# Altium PCB MB2032.PcbDoc (part 1 of 2) (continued)
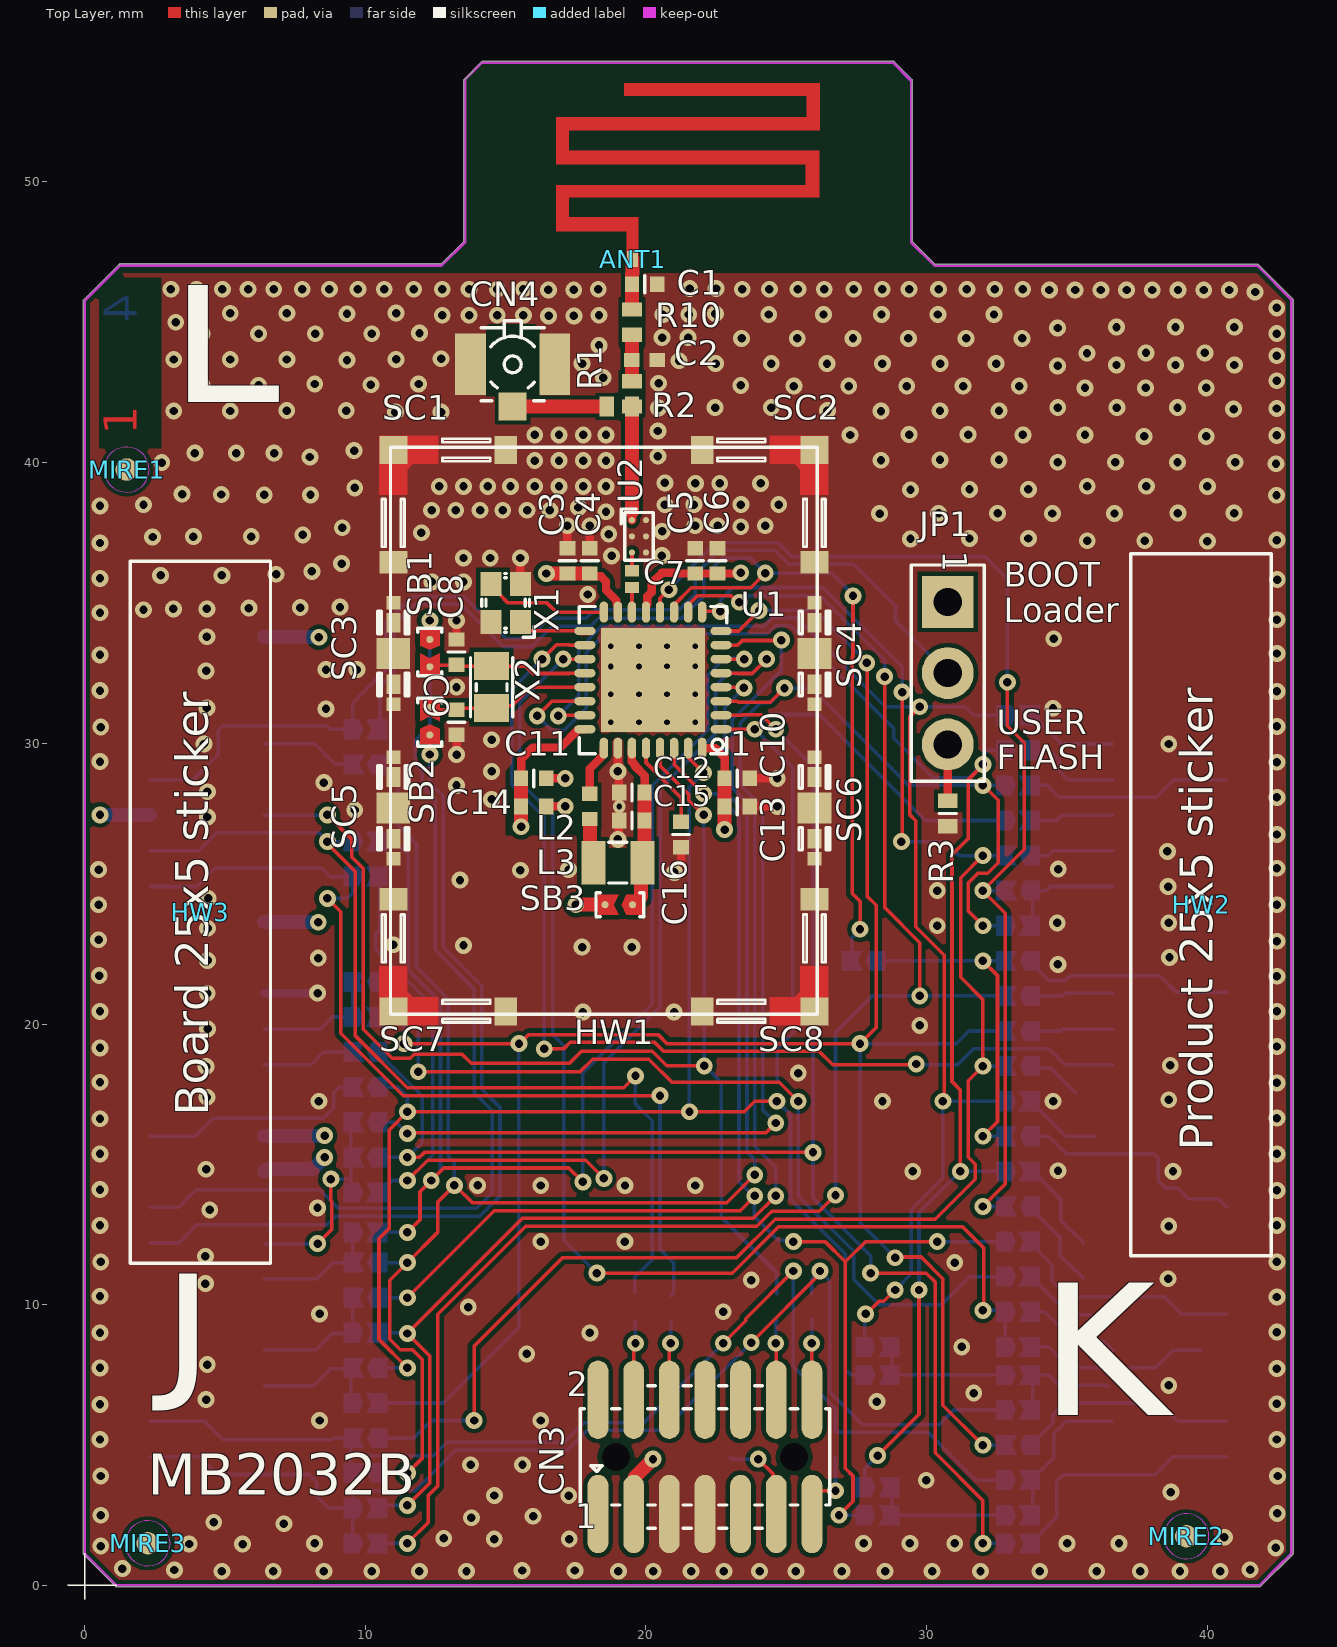
[diagram p0: Top Layer view]
## Design rules (kind name [scope] priority, off if disabled: settings)
Clearance RF_C4 [InNet('NetC4_1') or  InNet('NetC4_2') vs InNet('GND')] p1: gap=0.1 ignorepadtopadclearanceinfootprint=FALSE except(0.145: Arc-Text Track-Text SMDPad-SMDPad SMDPad-THPad SMDPad-Via SMDPad-Text THPad-THPad THPad-Via THPad-Text Via-Via Via-Text Fill-Text Poly-Text Region-Text Text-Text; 0.2: Arc-Hole Track-Hole SMDPad-Hole THPad-Hole Via-Hole Fill-Hole Poly-Hole Region-Hole Text-Hole)
Clearance RF_signals [InNetClass('NC_SINGLE_50_OHMS') vs InNet('GND')] p2: gap=0.145 ignorepadtopadclearanceinfootprint=FALSE except(0.138: Arc-Fill Arc-Poly Arc-Region Track-Fill Track-Poly Track-Region; 0.2: Arc-Hole Track-Hole SMDPad-Hole THPad-Hole Via-Hole Fill-Hole Poly-Hole Region-Hole Text-Hole)
Clearance [All] p3: gap=0.15 ignorepadtopadclearanceinfootprint=FALSE
ComponentClearance [All] p1: gap=0.2 collisioncheckmode=3 verticalgap=0.2 showdistances=FALSE
HoleSize [All] p1: absolutevalues=TRUE maxlimit=10 minlimit=0.025 maxpercent=80.000 minpercent=20.000
MinimumSolderMaskSliver [All] p1: minsoldermaskwidth=0.1
PlaneConnect [All] p1: planeconnectstyle=Relief reliefexpansion=0.508 reliefentries=4 reliefconductorwidth=0.21 reliefairgap=0.21
PolygonConnect PolygonConnect_via [IsVia] p1: connectstyle=Direct reliefconductorwidth=0.254 reliefentries=4 polygonreliefangle="90 Angle" airgapwidth=0.254
PolygonConnect General [All] p2: connectstyle=Direct reliefconductorwidth=0.2 reliefentries=4 polygonreliefangle="90 Angle" airgapwidth=0.2
RoutingVias [All] p1: holewidth=0.3 width=0.6 viastyle="Through Hole" minholewidth=0.2 minwidth=0.5 maxholewidth=3.5 maxwidth=6.5
SilkToSilkClearance [All] p1: silktosilkclearance=0.2
SilkToSolderMaskClearance [IsPad] p1: minsilkscreentomaskgap=0.2 clearancetoexposedcopper=TRUE
SolderMaskExpansion [All] p1: expansion=0.102 istentingtop=FALSE
Width Width_RF [InNetClass('NC_SINGLE_50_OHMS')] p1: maxlimit=0.5 minlimit=0.254 preferedwidth=0.254 toplayer_minwidth=0.28 toplayer_prefwidth=0.5 impedanceprofiledriven=TRUE minimp=50.000000 maximp=50.000000 favimp=50.000000
Width [All] p2: maxlimit=6 minlimit=0.127 preferedwidth=0.5 toplayer_prefwidth=0.127 midlayer1_minwidth=0.21 midlayer1_maxwidth=0.8 midlayer1_prefwidth=0.254 midlayer2_minwidth=0.21 midlayer2_maxwidth=0.8 bottomlayer_prefwidth=0.127 minimp=50.000000 maximp=50.000000 favimp=50.000000
24 further rules are at their usual default settings.

## Classes and differential pairs
net class NC_SINGLE_50_OHMS: NetANT1_1 NetC2_2 NetCN4_1 NetR1_1
component class U_RF: ANT1 C1 C2 C3 C4 C7 CN4 HW1 R1 R2 R10 SC1 SC2 SC3 SC4 SC5 SC6 SC7 SC8 U1 U2 X1
component class U_Connectors: CN1 CN2 SB52 SB53 SB54 SB55 SB56 SB57
component class U_MCU: C8 C9 CN3 JP1 R3 R4 R5 R6 R7 R8 R9 SB1 SB2 SB4 SB5 SB6 SB7 SB8 SB9 SB10 SB11 SB12 SB13 SB14 SB15 SB16 SB17 SB18 SB19 SB20 SB21 SB22 SB23 SB24 SB25 SB28 SB29 SB30 SB31 SB32 SB33 SB34 SB35 SB36 SB37 SB38 SB39 SB40 SB41 SB42 SB43 SB44 SB45 SB46 SB47 SB48 SB49 SB51 X2
component class U_Power_Supply: C5 C6 C10 C11 C12 C13 C14 C15 C16 L2 L3 SB3
component class Project_Overview: HW2 HW3

## Components (designator, comment, footprint, x,y, rotation, side; value= is the part's Value field where it differs from the comment)
ANT1 "2.4GHz_BT_ANT" ANT_BT_BNRG_2P4GHZ_MB2032 19.38,47.25 r90 top value=2.4GHZ_BNRG_ANT
C1 "Capacitor" C0402 19.95,46.35 r180 top value=6.8pF
C2 "Capacitor" C0402_MURATA_GRM155_H0P5 19.95,43.65 r180 top value=0.9pF
C3 "Capacitor" C0402 17.2,36.5 r270 top value=100nF
C4 "Capacitor" C0402 18,36.5 r270 top value=3pF
C5 "Capacitor" C0402 21.75,36.5 r270 top value=3pF
C6 "Capacitor" C0402 22.55,36.5 r270 top value=100nF
C7 "Capacitor" C0201_H0P3 19.5,35.85 r90 top value=20pF
C8 "Capacitor" C0402 13.25,33.25 r270 top value=10pF
C9 "Capacitor" C0402 13.25,30.75 r270 top value=10pF
C10 "Capacitor" C0402 23.25,28.75 r180 top value=100nF
C11 "Capacitor" C0402 16,28.75 r180 top value=100nF
C12 "Capacitor" C0402 19.5,28.25 r0 top value=100nF
C13 "Capacitor" C0402 23.25,27.75 r180 top value=1uF
C14 "Capacitor" C0402 16,27.75 r180 top value=4.7uF
C15 "Capacitor" C0402 19.5,27.25 r0 top value=4.7uF
C16 "Capacitor" C0402 21.25,26.75 r90 top value=0.22uF
CN1 "FTSH-125-02-L-DV" CON_SAMTEC_FTSH-125-02-L-DV 4.366,18.548 r270 bottom value="Header 25x2"
CN2 "FTSH-125-02-L-DV" CON_SAMTEC_FTSH-125-02-L-DV 38.656,18.548 r270 bottom value="Header 25x2"
CN3 "Header 7x2" CON_SAMTEC_FTSH-107-01-L-DV-K-A 22.101,4.579 r0 top
CN4 "U.FL-R-SMT-1" CON_HRS_U.FL-R-SMT-1 15.25,43.5 r0 top value=Con_RF_U.FL-R-SMT-1
Designator1 "Comment" IMPEDANCE_TABLE -4.013,161.315 r0 top
Designator2 "Comment" PCB_SPECIFICATIONS -3.124,121.133 r0 top
Designator3 "Comment" Sheetbox_4L2S 51.892,-13.183 r0 top
HW1 "S02-20150300" SHIELD_HARWIN_S02-20150300_15X20_H3 18.5,30.45 r0 top
HW2 "STICKER_PRODUCT" STICKER_PRODUCT_25X5 39.775,24.249 r90 top value="Sticker product"
HW3 "STICKER_BOARD" STICKER_BOARD_25X5 4.126,23.98 r90 top value="Sticker board"
JP1 "Jumper_Header 3x1 Fitted 2-3" CON_SAMTEC_TSW-103-07-F-S 30.75,32.5 r270 top value="Header 3x1"
L2 "Inductor" C0402 18,27.75 r90 top value=22nH
L3 "Inductor" IND_0805_MURATA_LQM21 19,25.75 r180 top value=10uH
MIRE1 "Comment" MIRE_PLACE_SMD_0P8MM 1.5,39.75 r0 top
MIRE2 "Comment" MIRE_PLACE_SMD_0P8MM 39.25,1.75 r0 top
MIRE3 "Comment" MIRE_PLACE_SMD_0P8MM 2.25,1.5 r0 top
MIRE4 "Comment" MIRE_PLACE_SMD_0P8MM 1.5,39.75 r0 bottom
MIRE5 "Comment" MIRE_PLACE_SMD_0P8MM 39.25,1.75 r0 bottom
MIRE6 "Comment" MIRE_PLACE_SMD_0P8MM 2.25,1.5 r0 bottom
R1 "Resistor" R0402 19.5,42.45 r90 top value=0R
R2 "Resistor" r0402 19.05,42 r180 top value=0R
R3 "Resistor" R0402 30.75,27.5 r90 top value=100K
R4 "Resistor" R0402 25.909,9.947 r90 bottom value=47R
R5 "Resistor" R0402 24.651,9.947 r90 bottom value=47R
R6 "Resistor" R0402 20.887,9.878 r90 bottom value=47R
R7 "Resistor" R0402 19.605,9.878 r90 bottom value=47R
R8 "Resistor" R0402 26.75,5 r270 bottom value=47R
R9 "Resistor" R0402 23,5 r270 bottom value=100R
R10 "Resistor" R0402 19.5,45 r90 top value=0R
SB1 "SB_ON" SOLDER-BRIDGE_R0402-0R 12.3,33.25 r270 top value="0 ohm"
SB2 "SB_ON" SOLDER-BRIDGE_R0402-0R 12.3,30.75 r90 top value="0 ohm"
SB3 "SB_ON" SOLDER-BRIDGE_R0402-0R 19.069,24.25 r180 top
SB4 "SB_ON" SOLDER-BRIDGE_R0402-0R 10,20.25 r0 bottom value="0 ohm"
SB5 "SB_ON" SOLDER-BRIDGE_R0402-0R 10,15.25 r180 bottom value="0 ohm"
SB6 "SB_ON" SOLDER-BRIDGE_R0402-0R 33.25,5 r180 bottom value="0 ohm"
SB7 "SB_ON" SOLDER-BRIDGE_R0402-0R 33.25,1.5 r0 bottom value="0 ohm"
SB8 "SB_ON" SOLDER-BRIDGE_R0402-0R 10,11.5 r180 bottom value="0 ohm"
SB9 "SB_ON" SOLDER-BRIDGE_R0402-0R 33.25,28.5 r0 bottom value="0 ohm"
SB10 "SB_ON" SOLDER-BRIDGE_R0402-0R 10,16.5 r180 bottom value="0 ohm"
SB11 "SB_ON" SOLDER-BRIDGE_R0402-0R 10,26.5 r0 bottom value="0 ohm"
SB12 "SB_ON" SOLDER-BRIDGE_R0402-0R 33.25,19.75 r180 bottom value="0 ohm"
SB13 "SB_ON" SOLDER-BRIDGE_R0402-0R 10,19 r180 bottom value="0 ohm"
SB14 "SB_ON" SOLDER-BRIDGE_R0402-0R 33.25,27.25 r0 bottom value="0 ohm"
SB15 "SB_ON" SOLDER-BRIDGE_R0402-0R 10,21.5 r180 bottom value="0 ohm"
SB16 "SB_ON" SOLDER-BRIDGE_R0402-0R 10,17.75 r180 bottom value="0 ohm"
SB17 "SB_ON" SOLDER-BRIDGE_R0402-0R 10,25.25 r0 bottom value="0 ohm"
SB18 "SB_ON" SOLDER-BRIDGE_R0402-0R 10,7.75 r180 bottom value="0 ohm"
SB19 "SB_ON" SOLDER-BRIDGE_R0402-0R 10,12.575 r0 bottom value="0 ohm"
SB20 "SB_ON" SOLDER-BRIDGE_R0402-0R 33.25,12.25 r0 bottom value="0 ohm"
SB21 "SB_ON" SOLDER-BRIDGE_R0402-0R 10,10.25 r180 bottom value="0 ohm"
SB22 "SB_ON" SOLDER-BRIDGE_R0402-0R 33.25,23.5 r0 bottom value="0 ohm"
SB23 "SB_ON" SOLDER-BRIDGE_R0402-0R 10,6.5 r0 bottom value="0 ohm"
SB24 "SB_ON" SOLDER-BRIDGE_R0402-0R 33.25,11 r0 bottom value="0 ohm"
SB25 "SB_ON" SOLDER-BRIDGE_R0402-0R 10,9 r0 bottom value="0 ohm"
SB28 "SB_ON" SOLDER-BRIDGE_R0402-0R 10,4 r180 bottom value="0 ohm"
SB29 "SB_ON" SOLDER-BRIDGE_R0402-0R 28.25,7.5 r0 bottom value="0 ohm"
SB30 "SB_ON" SOLDER-BRIDGE_R0402-0R 10,14 r0 bottom value="0 ohm"
SB31 "SB_ON" SOLDER-BRIDGE_R0402-0R 28.25,2.5 r0 bottom value="0 ohm"
SB32 "SB_ON" SOLDER-BRIDGE_R0402-0R 33.25,31 r0 bottom value="0 ohm"
SB33 "SB_ON" SOLDER-BRIDGE_R0402-0R 28.25,8.5 r0 bottom value="0 ohm"
SB34 "SB_ON" SOLDER-BRIDGE_R0402-0R 33.25,29.75 r0 bottom value="0 ohm"
SB35 "SB_ON" SOLDER-BRIDGE_R0402-0R 28.25,3.5 r0 bottom value="0 ohm"
SB36 "SB_ON" SOLDER-BRIDGE_R0402-0R 33.25,9.75 r0 bottom value="0 ohm"
SB37 "SB_ON" SOLDER-BRIDGE_R0402-0R 33.25,8.5 r0 bottom value="0 ohm"
SB38 "SB_ON" SOLDER-BRIDGE_R0402-0R 10,2.75 r0 bottom value="0 ohm"
SB39 "SB_ON" SOLDER-BRIDGE_R0402-0R 33.25,18.5 r180 bottom value="0 ohm"
SB40 "SB_ON" SOLDER-BRIDGE_R0402-0R 33.25,17.25 r0 bottom value="0 ohm"
SB41 "SB_ON" SOLDER-BRIDGE_R0402-0R 33.25,26 r180 bottom value="0 ohm"
SB42 "SB_ON" SOLDER-BRIDGE_R0402-0R 33.25,14.75 r0 bottom value="0 ohm"
SB43 "SB_ON" SOLDER-BRIDGE_R0402-0R 33.25,24.75 r180 bottom value="0 ohm"
SB44 "SB_ON" SOLDER-BRIDGE_R0402-0R 33.25,13.5 r180 bottom value="0 ohm"
SB45 "SB_ON" SOLDER-BRIDGE_R0402-0R 10,29.25 r180 bottom value="0 ohm"
SB46 "SB_ON" SOLDER-BRIDGE_R0402-0R 10,1.5 r0 bottom value="0 ohm"
SB47 "SB_ON" SOLDER-BRIDGE_R0402-0R 33.25,21 r180 bottom value="0 ohm"
SB48 "SB_ON" SOLDER-BRIDGE_R0402-0R 10,30.5 r0 bottom value="0 ohm"
SB49 "SB_ON" SOLDER-BRIDGE_R0402-0R 27.75,22.25 r180 bottom value="0 ohm"
SB51 "SB_ON" SOLDER-BRIDGE_R0402-0R 10,5.25 r180 bottom value="0 ohm"
SB52 "SB_ON" SOLDER-BRIDGE_R0402-0R 33.25,22.25 r180 bottom value="0 ohm"
SB53 "SB_ON" SOLDER-BRIDGE_R0402-0R 33.25,16 r180 bottom value="0 ohm"
SB54 "SB_ON" SOLDER-BRIDGE_R0402-0R 33.25,6.25 r0 bottom value="0 ohm"
SB55 "SB_ON" SOLDER-BRIDGE_R0402-0R 33.25,7.5 r0 bottom value="0 ohm"
SB56 "SB_ON" SOLDER-BRIDGE_R0402-0R 33.25,3.75 r0 bottom value="0 ohm"
SB57 "SB_ON" SOLDER-BRIDGE_R0402-0R 33.25,2.5 r0 bottom value="0 ohm"
SC1 "Shield-clip_S0951-46R" CLIP_HARWIN_S0981-46R 11,40.45 r180 top value=S0981-46R
SC2 "Shield-clip_S0951-46R" CLIP_HARWIN_S0981-46R 26,40.45 r90 top value=S0981-46R
SC3 "Shield-clip_S0951-46R" CLIP_HARWIN_S0951-46R 11,33.2 r90 top value=S0951-46R
SC4 "Shield-clip_S0951-46R" CLIP_HARWIN_S0951-46R 26,33.2 r90 top value=S0951-46R
SC5 "Shield-clip_S0951-46R" CLIP_HARWIN_S0951-46R 11,27.7 r90 top value=S0951-46R
SC6 "Shield-clip_S0951-46R" CLIP_HARWIN_S0951-46R 26,27.7 r90 top value=S0951-46R
SC7 "Shield-clip_S0951-46R" CLIP_HARWIN_S0981-46R 11,20.45 r270 top value=S0981-46R
SC8 "Shield-clip_S0951-46R" CLIP_HARWIN_S0981-46R 26,20.45 r0 top value=S0981-46R
U1 "STM32WB09" ICC_QFN32-EPAD_5X5_P050 20.25,32.25 r90 top
U2 "MLPF-WB55-01E3" ICC_CSPG_6BUMPS_1X1P60_P050-P0577 19.75,37.372 r0 top value=MLPF-NRG-01D3
X1 "XTAL_4_PINS" CRY_NX2016SA_4P 15,35 r90 top value=32MHz
X2 "XTAL_2_PINS" CRY_NX2012SA_2P 14.5,32 r90 top value=32.768kHz

## Footprints (in the part's own frame and the unit in brackets; to place one, negate y for a bottom-side part, rotate by r counter-clockwise, add the part's x,y. Pads: shape width x height; smd on the part's side, far side on the other; paste and mask are expansions set on the pad)
ANT_BT_BNRG_2P4GHZ_MB2032 [mm] "MCD-03495"
  rect 0.56x0.4 smd mask+0.05: 1(0,-0.14)
  Top Layer region: 4.585,-6.816 4.585,2.134 3.86,2.134 3.86,-6.791 2.21,-6.791 2.21,2.134 1.485,2.134 1.485,-0.341 -0.14,-0.341 -0.165,-0.341 -0.165,0.059 0.985,0.059 0.985,2.584 2.61,2.584 2.635,2.584 2.635,-6.316 3.01,-6.316 3.385,-6.316 3.385,2.584 5.01,2.584 5.06,2.584 5.06,-6.341 5.81,-6.341 5.81,0.159 6.26,0.159 6.26,-6.816
  body extent 1.11,-0.88 1.75,-0.54, height 0.33
C0201_H0P3 [mm] "MCD-00699"
  rect 0.4x0.5 smd mask+0.05: 1(-0.3,0) 2(0.3,0)
  body extent -0.32,-0.17 0.32,0.17, height 0.33
C0402 [mm]
  rect 0.51x0.56 smd mask+0.05: 1(-0.45,0) 2(0.45,0)
  silkscreen extent 0,-0.3 0,0.3, body extent -0.5,-0.3 0.5,0.3, height 0.4
C0402_MURATA_GRM155_H0P5 [mm] "MCD-03662"
  rect 0.55x0.5 smd mask+0.05: 1(-0.45,0) 2(0.45,0)
  body extent -0.53,-0.28 0.53,0.27, height 0.55
CLIP_HARWIN_S0951-46R [mm] "MCD-01587_CLIP-X1"
  rect 0.48x0.5 smd mask+0.1: 1(-1.81,0) 1(1.81,0)
  rect 0.7x0.5 smd mask+0.1: 1(-1.1,0) 1(1.1,0)
  rect 1.1x1.2 smd mask+0.1: 1(0,0)
  silkscreen extent -1.5,-0.55 1.5,0.55, body extent -2.05,-0.65 2.05,0.65, height 1.28
CLIP_HARWIN_S0981-46R [mm] "MCD-02164"
  rect 0.8x1 smd mask+0.05: 1(-4,0)
  rect 1x0.8 smd mask+0.05: 1(0,4)
  rect 1x1 smd mask+0.05: 1(0,0)
  Top Layer region: -1.6,-0.5 0.5,-0.5 0.5,1.6 -0.5,1.6 -0.5,0.7 -0.7,0.5 -1.6,0.5
  silkscreen extent -3.45,-0.4 0.4,3.45, body extent -4.3,-0.46 0.46,4.3, height 1.4
CON_HRS_U.FL-R-SMT-1 [mm] "MCD-01583"
  rect 1x1 smd mask+0.05: 1(0,-1.5)
  rect 1.1x2.2 smd mask+0.05: 2(-1.5,0) 3(1.5,0)
  silkscreen extent -1.12,-1.3 1.12,1.55, body extent -1.5,-1.6 1.5,1.5, height 1.25
CON_SAMTEC_FTSH-107-01-L-DV-K-A [mm] "MCD-01959"
  oval 0.74x2.79 smd mask+0.05: 1(-3.81,-2.035) 2(-3.81,2.035) 3(-2.54,-2.035) 4(-2.54,2.035) 5(-1.27,-2.035) 6(-1.27,2.035) 7(0,-2.035) 8(0,2.035) 9(1.27,-2.035) 10(1.27,2.035) 11(2.54,-2.035) 12(2.54,2.035) 13(3.81,-2.035) 14(3.81,2.035)
  round 0 hole 1 unplated paste-10 mask+0.05: NPTH1(-3.175,0) NPTH2(3.175,0)
  silkscreen extent -4.44,-2.54 4.44,2.54, body extent -4.44,-2.92 4.45,2.92, height 6.12
CON_SAMTEC_FTSH-125-02-L-DV [mm]
  rect 0.74x2.79 smd mask+0.05: 1(-15.24,2.035) 2(-15.24,-2.035) 3(-13.97,2.035) 4(-13.97,-2.035) 5(-12.7,2.035) 6(-12.7,-2.035) 7(-11.43,2.035) 8(-11.43,-2.035) 9(-10.16,2.035) 10(-10.16,-2.035) 11(-8.89,2.035) 12(-8.89,-2.035) 13(-7.62,2.035) 14(-7.62,-2.035) 15(-6.35,2.035) 16(-6.35,-2.035) 17(-5.08,2.035) 18(-5.08,-2.035) 19(-3.81,2.035) 20(-3.81,-2.035) 21(-2.54,2.035) 22(-2.54,-2.035) 23(-1.27,2.035) 24(-1.27,-2.035) 25(0,2.035) 26(0,-2.035) 27(1.27,2.035) 28(1.27,-2.035) 29(2.54,2.035) 30(2.54,-2.035) 31(3.81,2.035) 32(3.81,-2.035) 33(5.08,2.035) 34(5.08,-2.035) 35(6.35,2.035) 36(6.35,-2.035) 37(7.62,2.035) 38(7.62,-2.035) 39(8.89,2.035) 40(8.89,-2.035) 41(10.16,2.035) 42(10.16,-2.035) 43(11.43,2.035) 44(11.43,-2.035) 45(12.7,2.035) 46(12.7,-2.035) 47(13.97,2.035) 48(13.97,-2.035) 49(15.24,2.035) 50(15.24,-2.035)
  silkscreen extent -15.88,-1.71 15.88,1.71, body extent -15.87,-2.92 15.88,2.92, height 4.82
CON_SAMTEC_TSW-103-07-F-S [mm]
  rect 1.85x1.85 / inner round 1.85 / far side rect 1.85x1.85 hole 1 mask+0.05: 1(-2.54,0)
  round 1.85 hole 1 mask+0.05: 2(0,0) 3(2.54,0)
  silkscreen extent -3.85,-1.3 3.85,1.3, body extent -3.94,-1.37 3.91,1.37, height 8.38
CRY_NX2012SA_2P [mm]
  rect 1x1.25 smd mask+0.05: 1(-0.75,0) 2(0.75,0)
  silkscreen extent -1.05,-0.75 1.05,0.75, body extent -1.05,-0.63 1.05,0.63, height 0.6
CRY_NX2016SA_4P [mm]
  rect 0.85x0.75 smd mask+0.05: 1(-0.675,-0.525) 2(0.675,-0.525) 3(0.675,0.525) 4(-0.675,0.525)
  silkscreen extent -1.22,-1.02 1.05,0.85, body extent -1.05,-0.85 1.05,0.85, height 0.7
ICC_CSPG_6BUMPS_1X1P60_P050-P0577 [mm] "MCD-03490"
  round 0.22 smd paste+0 mask+0: A1(-0.25,0.577) A2(-0.25,0) A3(-0.25,-0.577) B1(0.25,0.577) B2(0.25,0) B3(0.25,-0.577)
  silkscreen extent -0.64,-0.85 0.51,0.97, body extent -0.51,-0.81 0.51,0.81, height 0.7
ICC_QFN32-EPAD_5X5_P050 [mm]
  oval 0.3x0.75 smd mask+0.05: 1(-1.75,-2.425) 2(-1.25,-2.425) 3(-0.75,-2.425) 4(-0.25,-2.425) 5(0.25,-2.425) 6(0.75,-2.425) 7(1.25,-2.425) 8(1.75,-2.425) 17(1.75,2.425) 18(1.25,2.425) 19(0.75,2.425) 20(0.25,2.425) 21(-0.25,2.425) 22(-0.75,2.425) 23(-1.25,2.425) 24(-1.75,2.425)
  oval 0.75x0.3 smd mask+0.05: 9(2.425,-1.75) 10(2.425,-1.25) 11(2.425,-0.75) 12(2.425,-0.25) 13(2.425,0.25) 14(2.425,0.75) 15(2.425,1.25) 16(2.425,1.75) 25(-2.425,1.75) 26(-2.425,1.25) 27(-2.425,0.75) 28(-2.425,0.25) 29(-2.425,-0.25) 30(-2.425,-0.75) 31(-2.425,-1.25) 32(-2.425,-1.75)
  rect 3.7x3.7 smd mask+0.05: 33(0,0)
  silkscreen extent -2.63,-2.63 2.63,2.63, body extent -2.55,-2.55 2.55,2.55, height 1
IMPEDANCE_TABLE [mm]
IND_0805_MURATA_LQM21 [mm] "MCD-02317"
  rect 0.85x1.55 smd mask+0.05: 1(-0.875,0) 2(0.875,0)
  silkscreen extent -0.33,-0.72 0.33,0.72, body extent -1.1,-0.72 1.1,0.72, height 1.45
MIRE_PLACE_SMD_0P8MM [mm]
  round 0.8 smd paste-10 mask+0.2: 1(0,0)
  Top Layer keep-out circle w0.01: c0,0 r0.804
PCB_SPECIFICATIONS [mm]
R0402 [mm]
  rect 0.51x0.7 smd mask+0.05: 1(-0.45,0) 2(0.45,0)
  body extent -0.52,-0.3 0.52,0.3, height 0.4
r0402 [mm]
  rect 0.51x0.7 smd mask+0.05: 1(-0.45,0) 2(0.45,0)
  body extent -0.52,-0.3 0.52,0.3, height 0.4
Sheetbox_4L2S [mil] "Sheetbox 4 layers / 2 silkscreens"
  round 20 on Mech16: 1(813.78,210.69) 1(2736.9,210.69)
SHIELD_HARWIN_S02-20150300_15X20_H3 [mm] "MCD-03126"
  silkscreen extent -7.6,-10.1 7.6,10.1, body extent -7.6,-10.1 7.6,10.1, height 3.25
SOLDER-BRIDGE_R0402-0R [mil] "MCD-01619"
  round 10 smd paste-393.7: 1(-17.72,0) 2(20.67,0)
  Top Layer region: -30.51,-13.78 -30.51,13.78 -8.86,13.78 -2.95,0 -8.86,-13.78
  Top Layer region: 1.48,13.78 8.37,0 1.48,-13.78 30.51,-13.78 30.51,13.78
  silkscreen extent -33,-17 33,17, body extent -20,-12 20,12, height 14
STICKER_BOARD_25X5 [mm] "Sticker to mention board reference + serial number"
  silkscreen extent -12.5,-2.5 12.5,2.5, body extent -12.5,-2.5 12.5,2.5, height 0.01
STICKER_PRODUCT_25X5 [mm] "Sticker to mention board CPN code"
  silkscreen extent -12.5,-2.5 12.5,2.5

## Part data
ANT1: library part MCD-03495, "2.4 GHZ Bluetooth BNRG PCB antenna", Manufacturer=NA, ComponentLink1URL=http://tunmcdsvn.tun.st.com/Component_Documentation_Library/Trunk, ID=5611, Internal_Part_Number=MCD-03495, Manufacturer_Part_Number=NA, Order_Code_Digikey=NA, Order_Code_Farnell=NA, Order_Code_RS=NA, Part_Preference=Recommended, Part_Type=Misc, ShowFields=YES, Status=New
C1: library part MCD-03452, "Capacitor, MLCC, 6.8pF, 50V, C0G, +/-0.05pF, 0402, T=0.5mm", Manufacturer=MURATA, Manufacturer_Part_Number=GJM1555C1H6R8WB01, Package=0402, ComponentLink1URL=http://tunmcdsvn.tun.st.com/Component_Documentation_Library/Trunk/Capacitor/MURATA_GJM_Series/GJM1555C1H6R8WB01, ID=5568, Internal_Part_Number=MCD-03452, Order_Code_Digikey=490-14447-2-ND, Order_Code_Farnell=3243259RL, Order_Code_RS=N/A, Part_Preference=Recommended, Part_Type=Capacitor, ShowFields=YES, Status=New
C2: library part MCD-03662, "Capacitor, MLCC, 0.9pF, 25V, +/-0.05pF, 0402, T=0.5mm", Manufacturer=MURATA, Manufacturer_Part_Number=GRM1555C1ER90WA01D, ComponentLink1URL=http://tunmcdsvn.tun.st.com/Component_Documentation_Library/Trunk, ID=5778, Internal_Part_Number=MCD-03662, Order_Code_Digikey=490-GRM1555C1ER90WA01DTR-ND, Order_Code_Farnell=NA, Order_Code_RS=NA, Part_Preference=Recommended, Part_Type=Capacitor, ShowFields=YES, Status=New
C3 C6 C10 C11 C12: library part MCD-03442, "Capacitor, MLCC, 100nF, ±10%, X7R, 25V, 0402, T=0.5mm", Manufacturer=MURATA, Manufacturer_Part_Number=GRM155R71E104KE14D, Package=0402, ComponentLink1URL=http://tunmcdsvn.tun.st.com/Component_Documentation_Library/Trunk, ID=5558, Internal_Part_Number=MCD-03442, Order_Code_Digikey=490-10698-2-ND, Order_Code_Farnell=NA, Order_Code_RS=247-8011, Part_Preference=Recommended, Part_Type=Capacitor, ShowFields=YES, Status=New
C4: library part MCD-03482, "Capacitor, MLCC, 3pF, COG, 50V, +/-0.1pF, 0402, T=0.5mm", Manufacturer="KYOCERA AVX", Manufacturer_Part_Number=04025A3R0BAT2A, Package=0402, ComponentLink1URL=http://tunmcdsvn.tun.st.com/Component_Documentation_Library/Trunk/Capacitor/AVX_C0G_NP0_Series, ID=5598, Internal_Part_Number=MCD-03482, Order_Code_Digikey=478-10101-2-ND, Order_Code_Farnell=3922144, Order_Code_RS=NA, Part_Preference=Recommended, Part_Type=Capacitor, ShowFields=YES, Status=New
C5: library part MCD-03436, "Capacitor, MLCC, 3pF, COG, 50V, 0402, ±0.1pF, T=0.5mm", Manufacturer=MURATA, Manufacturer_Part_Number=GRM1555C1H3R0BA01D, Package=0402, ComponentLink1URL=http://tunmcdsvn.tun.st.com/Component_Documentation_Library/Trunk, ID=5552, Internal_Part_Number=MCD-03436, Order_Code_Digikey=490-6237-2-ND, Order_Code_Farnell=NA, Order_Code_RS=814-5612, Part_Preference=Recommended, Part_Type=Capacitor, ShowFields=YES, Status=New
C7: library part MCD-03543, "Capacitor, MLCC, 20pF, 25V, COG, +/-2%, 0201, T=0.33mm", Manufacturer=MURATA, Manufacturer_Part_Number=GJM0335C1E200GB01, ComponentLink1URL=http://tunmcdsvn.tun.st.com/Component_Documentation_Library/Trunk/Capacitor/MURATA_GJM_Series, ID=5659, Internal_Part_Number=MCD-03543, Order_Code_Digikey=490-GJM0335C1E200GB01DTR-ND, Order_Code_Farnell=2994012, Order_Code_RS=NA, Part_Preference=Recommended, Part_Type=Capacitor, ShowFields=YES, Status=New
C8 C9: library part MCD-00015, "Capacitor, MLCC, 10pF, 50V, NPO, +/-5%, 0402, T=0.5mm", Manufacturer=YAGEO, Manufacturer_Part_Number=CC0402JRNPO9BN100, Package=0402, Component_Country_Of_Origin=China, ComponentLink1URL=http://tunmcdsvn.tun.st.com/Component_Documentation_Library/Trunk/Capacitor/YAGEO_NP0_Series, ID=2465, Internal_Part_Number=MCD-00015, Order_Code_Digikey=311-1014-1-ND, Order_Code_Farnell=3019160RL, Order_Code_RS=616-9256, Part_Preference=Recommended, Part_Type=Capacitor, ShowFields=YES, Status=Released
C13: library part MCD-03432, "Capacitor, MLCC, 1uF, X7R, 6.3V, 0402, ± 10%, T=0.5mm", Manufacturer=MURATA, Manufacturer_Part_Number=GRM155R70J105KA12, Package=0402, ComponentLink1URL=http://tunmcdsvn.tun.st.com/Component_Documentation_Library/Trunk, ID=5548, Internal_Part_Number=MCD-03432, Order_Code_Digikey=NA, Order_Code_Farnell=NA, Order_Code_RS=113-8711, Part_Preference=Recommended, Part_Type=Capacitor, ShowFields=YES, Status=New
C14 C15: library part MCD-03431, "Capacitor, MLCC, 4.7uF, X5R, 10 V, 0402, ± 20%, T=0.5mm", Manufacturer=MURATA, Manufacturer_Part_Number=GRM155R61A475MEAAD, Package=0402, ComponentLink1URL=http://tunmcdsvn.tun.st.com/Component_Documentation_Library/Trunk, ID=5547, Internal_Part_Number=MCD-03431, Order_Code_Digikey=90-14306-2-ND, Order_Code_Farnell=2688503RL, Order_Code_RS=172-6870, Part_Preference=Recommended, Part_Type=Capacitor, ShowFields=YES, Status=New
C16: library part MCD-03483, "Capacitor, MLCC, 0.22uF, X5R, 6.3V, +/-10%, 0402, T=0.5mm", Manufacturer=YAGEO, Manufacturer_Part_Number=CC0402KRX5R5BB224, Package=0402, ComponentLink1URL=http://tunmcdsvn.tun.st.com/Component_Documentation_Library/Trunk/Capacitor/YAGEO_X5R_Series, ID=5599, Internal_Part_Number=MCD-03483, Order_Code_Digikey=311-1681-2-ND, Order_Code_Farnell=3369131, Order_Code_RS=NA, Part_Preference=Recommended, Part_Type=Capacitor, ShowFields=YES, Status=New
CN1 CN2: library part MCD-02746, "Header, 25x2, 12.7mm, VR, SMD, T=4.83mm", Manufacturer=SAMTEC, Component_Country_Of_Origin="China, Costa Rica, Malaysia, USA, Vietnam", ComponentLink1URL=http://tunmcdsvn.tun.st.com/Component_Documentation_Library/Trunk/Connector/SAMTEC_FTSH_Series, ID=4858, Internal_Part_Number=MCD-02746, Manufacturer_Part_Number=FTSH-125-02-L-DV, Order_Code_Digikey=FTSH-125-02-L-DV-ND, Order_Code_Farnell=3751075, Order_Code_RS=N/A, Part_Preference=Recommended, Part_Type=Connector, ShowFields=YES, Status=Checked
CN3: library part MCD-01531, "Header, 7x2, 1.27mm, VR, T=5.97mm, FTSH series STDC14 without Alignment Pin", Manufacturer=SAMTEC, Manufacturer_Part_Number=FTSH-107-01-L-DV-K, Component_Country_Of_Origin="China, Costa Rica, Malaysia, United States, Vietnam", ComponentLink1URL=http://tunmcdsvn.tun.st.com/Component_Documentation_Library/Trunk/Connector/SAMTEC_FTSH_Series/, ID=3631, Internal_Part_Number=MCD-01531, Order_Code_Digikey=SAM9449-ND, Order_Code_Farnell=2856443, Order_Code_RS=179-9021, Part_Preference=Recommended, Part_Type=Connector, ShowFields=YES, Status=Checked
CN4: library part MCD-01583, "Connector_RF, 0Hz to 6GHz, 50R, VR, SMD, T= 1.25mm", Manufacturer=HIROSE, BMS_Part_Number=9187005, Component_Country_Of_Origin="Japan, Malaysia", ComponentLink1URL=http://tunmcdsvn.tun.st.com/Component_Documentation_Library/Trunk/Connector/HIROSE_U.FL_Series/, ID=3683, Internal_Part_Number=MCD-01583, Manufacturer_Part_Number=U.FL-R-SMT-1, Order_Code_Digikey=N/A, Order_Code_Farnell=1688077, Order_Code_RS=557-981, Part_Preference=Recommended, Part_Type=Connector, ShowFields=YES, Status=Released
Designator1 Designator2 Designator3: library part MCD-00279
HW1: library part MCD-03126, "RFI shield can, 20x15x3mm", Manufacturer=HARWIN, Package=20x15x3mm, Component_Country_Of_Origin=UK°, ComponentLink1URL=http://tunmcdsvn.tun.st.com/Component_Documentation_Library/Trunk/Misc/HARWIN_S02-20150300, ID=5242, Internal_Part_Number=MCD-03126, Manufacturer_Part_Number=S02-20150300, Order_Code_Digikey=952-2632-ND, Order_Code_Farnell=3755471, Order_Code_RS=161-3687, Part_Preference=Recommended, Part_Type=Misc, ShowFields=YES, Status=Checked
HW2: library part MCD-02189, "Sticker product 25x5 mm", Alternate_Manufacturer=N/A, Alternate_Manufacturer_Part_Number=N/A, ComponentLink1URL=N/A, Internal_Part_Number=MCD-02189, Manufacturer=N/A, Manufacturer_Part_Number=N/A, Order_Code_Digikey=N/A, Order_Code_Farnell=N/A, Order_Code_RS=N/A, Package=N/A, Part_Preference=Recommended, Part_Type=Misc, Status=Released
HW3: library part MCD-02190, "Sticker board 25x5 mm", Alternate_Manufacturer=N/A, Alternate_Manufacturer_Part_Number=N/A, ComponentLink1URL=N/A, Internal_Part_Number=MCD-02190, Manufacturer=N/A, Manufacturer_Part_Number=N/A, Order_Code_Digikey=N/A, Order_Code_Farnell=N/A, Order_Code_RS=N/A, Package=N/A, Part_Preference=Recommended, Part_Type=Misc, Status=Released
JP1: library part MCD-00685, "Header, 3x1, 2.54mm, VR, TH, T=5.84mm/2.54mm", Manufacturer=SAMTEC, Manufacturer_Part_Number=TSW-103-07-F-S, Component_Country_Of_Origin="China, Costa Rica, Malaysia, United States, Vietnam", ComponentLink1URL=http://tunmcdsvn.tun.st.com/Component_Documentation_Library/Trunk/Connector/SAMTEC_TSW_Series/, ID=3058, Internal_Part_Number=MCD-00685, Order_Code_Digikey=SAM8995-ND, Order_Code_Farnell=2505043, Order_Code_RS=161-2248, Part_Preference=Recommended, Part_Type=Connector, ShowFields=YES, Status=Released
L2: library part MCD-03439, "Inductor, MLCC, 22nH, ±2%, 350mA, 0.58R, 0402, T=1.45mm", Manufacturer=MURATA, Manufacturer_Part_Number=LQG15HN22NG02D, Package=0402, ComponentLink1URL=http://tunmcdsvn.tun.st.com/Component_Documentation_Library/Trunk, ID=5555, Internal_Part_Number=MCD-03439, Order_Code_Digikey=490-LQG15HN22NG02DTR-ND, Order_Code_Farnell=3354168, Order_Code_RS=NA, Part_Preference=Recommended, Part_Type=Inductor, ShowFields=YES, Status=New
L3: library part MCD-03438, "Inductor, MLCC, 10uH, ±20%, 300mA, 845mR, 0805, T=1.45mm", Manufacturer=MURATA, Manufacturer_Part_Number=LQM21DN100M70L, Package=0805, ComponentLink1URL=http://tunmcdsvn.tun.st.com/Component_Documentation_Library/Trunk, ID=5554, Internal_Part_Number=MCD-03438, Order_Code_Digikey=490-LQM21DN100M70LTR-ND, Order_Code_Farnell=NA, Order_Code_RS=NA, Part_Preference=Recommended, Part_Type=Inductor, ShowFields=YES, Status=New
R1 R2 R10: library part MCD-00052, "Resistor, 0R, 0402, +/-5%, 1/16W", Manufacturer=YAGEO, Manufacturer_Part_Number=RC0402JR-070RL, Package=0402, Component_Country_Of_Origin=China, ComponentLink1URL=http://tunmcdsvn.tun.st.com/Component_Documentation_Library/Trunk/Resistor/YAGEO_RC_L_Series, ID=2540, Internal_Part_Number=MCD-00052, Order_Code_Digikey=311-0.0JRCT-ND, Order_Code_Farnell=9232516RL, Order_Code_RS=618-5804, Part_Preference=Recommended, Part_Type=Resistor, ShowFields=YES, Status=Released
R3: library part MCD-03301, "Resistor, 100K, 0402, +/-1%, 1/16W", Manufacturer=YAGEO, Manufacturer_Part_Number=RT0402FRE07100KL, Package=0402, Alternate_EMS=M, ComponentLink1URL=http://tunmcdsvn.tun.st.com/Component_Documentation_Library/Trunk/Resistor/YAGEO_RT_Series, ID=5417, Internal_Part_Number=MCD-03301, Order_Code_Digikey=YAG2307TR-ND, Order_Code_Farnell=N/A, Order_Code_RS=N/A, Part_Preference=Alternate, Part_Type=Resistor, ShowFields=YES, Status=New
R4 R5 R6 R7 R8: library part MCD-00481, "Resistor, 47R, 0402, +/-1%, 1/16W", Manufacturer=YAGEO, Manufacturer_Part_Number=RC0402FR-0747RL, Package=0402, Component_Country_Of_Origin=China, ComponentLink1URL=http://tunmcdsvn.tun.st.com/Component_Documentation_Library/Trunk/Resistor/YAGEO_RC_L_Series, ID=2796, Internal_Part_Number=MCD-00481, Order_Code_Digikey=311-47.0LRCT-ND, Order_Code_Farnell=9239073, Order_Code_RS=N/A, Part_Preference=Recommended, Part_Type=Resistor, ShowFields=YES, Status=Released
R9: library part MCD-00067, "Resistor, 100R, 0402, +/- 1%, 1/16W", Manufacturer=YAGEO, Manufacturer_Part_Number=RC0402FR-07100RL, Package=0402, Component_Country_Of_Origin=China, ComponentLink1URL=http://tunmcdsvn.tun.st.com/Component_Documentation_Library/Trunk/Resistor/YAGEO_RC_L_Series, ID=2527, Internal_Part_Number=MCD-00067, Order_Code_Digikey=311-100LRCT-ND, Order_Code_Farnell=9239111, Order_Code_RS=N/A, Part_Preference=Recommended, Part_Type=Resistor, ShowFields=YES, Status=Released
SB1 SB2 SB3 SB4 SB5 SB6 SB7 SB8 SB9 SB10 SB11 SB12 SB13 SB14 SB15 SB16 SB17 SB18 SB19 SB20 SB21 SB22 SB23 SB24 SB25 SB28 SB29 SB30 SB31 SB32 SB33 SB34 SB35 SB36 SB37 SB38 SB39 SB40 SB41 SB42 SB43 SB44 SB45 SB46 SB47 SB48 SB49 SB51 SB52 SB53 SB54 SB55 SB56 SB57: library part MCD-01618, "Solder Bridge 0402 ON", Manufacturer=YAGEO, Manufacturer_Part_Number=RC0402JR-070RL, Package=SB0402, Component_Country_Of_Origin=China, ID=3718, Internal_Part_Number=MCD-01618, Order_Code_Digikey=311-0.0JRTR-ND, Order_Code_Farnell=2363467, Order_Code_RS=618-5804, Part_Preference=Recommended, Part_Type=Misc, ShowFields=YES, Status=Released
  SB1 SB2 SB4 SB5 SB6 SB7 SB8 SB9 SB10 SB11 SB12 SB13 SB14 SB15 SB16 SB17 SB18 SB19 SB20 SB21 SB22 SB23 SB24 SB25 SB28 SB29 SB30 SB31 SB32 SB33 SB34 SB35 SB36 SB37 SB38 SB39 SB40 SB41 SB42 SB43 SB44 SB45 SB46 SB47 SB48 SB49 SB51 SB52 SB53 SB54 SB55 SB56 SB57: ComponentLink1URL=http://tunmcdsvn.tun.st.com/Component_Documentation_Library/Trunk/Resistor/YAGEO_RC0402_Series
  SB3: ComponentLink1URL=http://tunmcdsvn.tun.st.com/Component_Datasheet_Library/Trunk/Resistors/Yageo_Resistor_RC0402-series
SC1 SC2 SC7 SC8: library part MCD-02164, "shield clip Harwin S0981-46R to fix RF shielded cavity - SMT RFI Shield Clip, Corner (T+R)", Manufacturer=HARWIN, Manufacturer_Part_Number=S0981-46R, Component_Country_Of_Origin="South Korea", ComponentLink1URL=http://tunmcdsvn.tun.st.com/Component_Documentation_Library/Trunk/Misc/HARWIN_S0981-46R, ID=4264, Internal_Part_Number=MCD-02164, Order_Code_Digikey=952-2518-1-ND, Order_Code_Farnell=2361678, Order_Code_RS=161-3702, Part_Preference=Recommended, Part_Type=Misc, ShowFields=YES, Status=Released
SC3 SC4 SC5 SC6: library part MCD-01587, "shield clip Harwin S0951-46R to fix RF shielded cavity", Manufacturer=HARWIN, Manufacturer_Part_Number=S0951-46R, Component_Country_Of_Origin="South Korea", ComponentLink1URL=http://tunmcdsvn.tun.st.com/Component_Documentation_Library/Trunk/Misc/HARWIN_S0951-46R, ID=3687, Internal_Part_Number=MCD-01587, Order_Code_Digikey=952-2669-1-ND, Order_Code_Farnell=2490970, Order_Code_RS=N/A, Part_Preference=Recommended, Part_Type=Misc, ShowFields=YES, Status=Released
U1: library part MCD-03444, "Bluetooth® Low Energy wireless SoC", Manufacturer=STMICROELECTRONICS, Package=QFN32, Component_Country_Of_Origin=Unknown, ComponentLink1URL=http://tunmcdsvn.tun.st.com/Component_Documentation_Library/Trunk/IC/STMICROELECTRONICS_BLUENRG-372AC, ID=5560, Internal_Part_Number=MCD-03444, Manufacturer_Part_Number=STM32WB09, Order_Code_Digikey=N/A, Order_Code_Farnell=N/A, Order_Code_RS=N/A, Part_Preference=Recommended, Part_Type=IC, ShowFields=YES, Status=Checked
U2: library part MCD-03490, "2.4 GHz low pass filter matched to BLUENRG-LP-LPS", Manufacturer=STMICROELECTRONICS, Manufacturer_Part_Number=MLPF-NRG-01D3, Package=CSP, ComponentLink1URL=http://tunmcdsvn.tun.st.com/Component_Documentation_Library/Trunk, ID=5606, Internal_Part_Number=MCD-03490, Order_Code_Digikey=497-MLPF-NRG-01D3TR-ND, Order_Code_Farnell=NA, Order_Code_RS=NA, Part_Preference=Recommended, Part_Type=IC, ShowFields=YES, Status=New
X1: library part MCD-01446, "Crystal, 32MHz, 8pF, +/-10ppm, 60R, 2x1.6mm", Manufacturer=NDK, Manufacturer_Part_Number=NX2016SA-32MHZ-EXS00A-CS06654, Package=2x1.6mm, BMS_Part_Number=9157042, Component_Country_Of_Origin=Unknown, ComponentLink1URL=http://tunmcdsvn.tun.st.com/Component_Documentation_Library/Trunk/Crytal_Oscillator/NDK_NX2016SA_Series, ID=3546, Internal_Part_Number=MCD-01446, Order_Code_Digikey=644-1373, Order_Code_Farnell=N/A, Order_Code_RS=N/A, Part_Preference=Recommended, Part_Type=Crystal_Osc, ShowFields=YES, Status=Checked
X2: library part MCD-01445, "Crystal, 32.768kHz, 7pF, +/-20ppm, 80K, 2.05x1.2mm", Manufacturer=NDK, Manufacturer_Part_Number=NX2012SA-32.768KHZ-EXS00A-MU00389, Package=2.05x1.2mm, BMS_Part_Number=9157043, Component_Country_Of_Origin=Unknown, ComponentLink1URL=http://tunmcdsvn.tun.st.com/Component_Documentation_Library/Trunk/Crytal_Oscillator/NDK_NX2012SA_Series, ID=3545, Internal_Part_Number=MCD-01445, Order_Code_Digikey=644-1350, Order_Code_Farnell=N/A, Order_Code_RS=N/A, Part_Preference=Recommended, Part_Type=Crystal_Osc, ShowFields=YES, Status=Checked

## Via types
v1: diameter 0.6, hole 0.3, Top Layer to Bottom Layer, tented both sides, 564 vias
v2: diameter 0.45, hole 0.2, Top Layer to Bottom Layer, tented both sides, 17 vias

## Nets (pads, with @x,y where several pads share a name; then routed paths per layer and width w, separated by ;. In a path a pad name is that pad's centre, name@x,y a point inside that pad or via, vN(x,y) a via of type N, cw(c..) or ccw(c..) an arc to the next point about the centre after c; other vN are vias at no path point)
ARD_A0: CN1.24 SB4.1 SB15.2 | length 4.6
  Bottom Layer w0.127: CN1.24@6.401,19.818 8.393,19.818 8.825,20.25 SB4.1@9.55,20.25 SB15.2@9.55,21.4 ; SB15.2@9.525,21.5 9.499,21.474 9.499,21.441 SB15.2@9.545,21.395
ARD_A1: CN1.26 SB13.2 | length 3.3
  Bottom Layer w0.127: CN1.26@6.401,18.548 8.073,18.548 8.525,19 SB13.2@9.475,19
ARD_A2: CN1.36 SB5.2 SB10.2 SB30.1 | length 7.6
  Top Layer w0.127: v1(8.3,12.175) 8.813,12.688 8.813,13.662 8.775,13.7 v1(8.775,14.475)
  Bottom Layer w0.127: CN1.36@6.42,12.177 8.298,12.177 v1(8.3,12.175) ; v1(8.775,14.475) 9.475,14.475 ; SB10.2@9.475,16.5 SB5.2@9.475,15.25 9.475,14.475 ; SB30.1@9.55,14.075 9.475,14.15 9.475,14.475
ARD_A3: CN1.38 SB8.2 SB19.1 | length 4.4
  Bottom Layer w0.127: CN1.38@6.401,10.928 8.278,10.928 8.85,11.5 SB8.2@9.475,11.5 9.475,11.534 9.55,11.609 SB19.1@9.55,12.575
ARD_A4: CN1.42 SB21.2 SB25.1 | length 4.6
  Bottom Layer w0.127: CN1.42@6.401,8.388 8.238,8.388 8.825,8.975 SB25.1@9.435,8.975 ; SB25.1@9.436,8.976 SB25.1@9.549,8.976 ; SB21.2@9.525,10.2 9.55,10.175 SB25.1@9.55,9
ARD_A5: CN1.44 SB18.2 SB23.1 | length 4.6
  Bottom Layer w0.127: CN1.44@6.401,7.118 8.168,7.118 8.775,7.725 SB18.2@9.36,7.725 ; SB18.2@9.361,7.726 SB18.2@9.474,7.726 ; SB18.2@9.475,7.75 9.475,7.725 9.475,6.475 SB23.1@9.5,6.45
ARD_D2: CN2.41 SB36.2 | length 3.4
  Bottom Layer w0.127: 33.9,9.65 34,9.75 34.2,9.75 35.255,8.695 36.33,8.695 CN2.41@36.65,8.375
ARD_D3: CN2.39 SB24.2 | length 2.5
  Bottom Layer w0.127: 33.875,10.85 35.075,9.65 CN2.39@35.85,9.65
ARD_D4: CN2.37 SB44.1 | length 3.1
  Bottom Layer w0.127: 33.9,13.325 33.9,13.25 34.75,12.4 34.75,11.75 35.265,11.235 35.29,11.235 35.575,10.95 CN2.37@35.575,10.925
ARD_D5: CN2.35 SB42.2 | length 3.3
  Bottom Layer w0.127: SB42.2@33.775,14.75 34.775,13.75 34.775,13 35.27,12.505 35.29,12.505 35.575,12.22 CN2.35@35.575,12.2
ARD_D6: CN2.29 SB40.2 | length 2.6
  Bottom Layer w0.127: 33.875,17.075 34.95,16 CN2.29@36,16
ARD_D7: CN2.27 SB39.1 | length 1.7
  Bottom Layer w0.127: 33.95,18.425 34.425,18.425 35.265,17.585 35.29,17.585 35.3,17.575 CN2.27@35.3,17.55
ARD_D8: CN2.25 U1.18 | length 37.7
  Top Layer w0.127: v1(16.3,33) 16.813,33.513 17.263,33.513 17.276,33.5 U1.18@17.825,33.5 ; v1(16.375,19.112) 17.062,19.112 17.298,19.348 20.31,19.348 20.329,19.329 ; 20.325,19.325 20.627,19.023 26.177,19.023 26.65,18.55 29.6,18.55 v1(29.625,18.575)
  Bottom Layer w0.127: v1(16.3,33) 15.225,31.925 15.225,28.521 16.375,27.371 v1(16.375,19.112) ; v1(29.625,18.575) 29.652,18.548 31.098,18.548 31.675,19.125 34.35,19.125 34.927,18.548 CN2.25@36.621,18.548
ARD_D9: CN2.23 SB12.1 | length 2.9
  Bottom Layer w0.127: SB12.1@33.7,19.75 34.775,19.75 34.843,19.818 CN2.23@36.621,19.818
ARD_D10: CN2.21 SB47.1 | length 2.9
  Bottom Layer w0.127: SB47.1@33.725,21 34.85,21 34.938,21.088 CN2.21@36.621,21.088
ARD_D11: CN2.15 SB22.2 SB43.1 | length 4.2
  Bottom Layer w0.127: SB43.1@33.724,24.691 33.775,24.641 SB22.2@33.775,23.5 ; SB43.1@33.725,24.775 33.75,24.75 34.25,24.75 34.398,24.898 CN2.15@36.621,24.898
ARD_D12: CN2.13 SB41.1 | length 3
  Bottom Layer w0.127: SB41.1@33.7,26 34.325,26 34.493,26.168 CN2.13@36.621,26.168
ARD_D13: CN2.11 SB14.2 | length 2.9
  Bottom Layer w0.127: SB14.2@33.775,27.25 34.625,27.25 34.813,27.438 CN2.11@36.621,27.438
ARD_D14: CN2.9 SB34.2 | length 3.5
  Bottom Layer w0.127: SB34.2@33.775,29.75 34.375,29.75 34.725,29.4 34.725,29 35.017,28.708 CN2.9@36.621,28.708
ARD_D15: CN2.7 SB32.2 | length 3.2
  Bottom Layer w0.127: SB32.2@33.775,31 34.8,29.975 CN2.7@36.6,29.975
BOOT0: CN1.9 JP1.2 SB48.1 | length 37.7
  Bottom Layer w0.127: CN1.9@2.331,28.708 3.883,28.708 4.763,29.588 4.763,30.464 4.925,30.625 8.625,30.625 8.75,30.5 SB48.1@9.55,30.5 9.55,31.442 10.748,32.64 10.748,34.315 11.658,35.225 13.525,35.225 15.025,33.725 15.825,33.725 16.55,34.45 17.875,34.45 18.175,34.75 21.175,34.75 21.75,35.325 21.75,36.013 22.61,36.873 24.585,36.873 25.083,36.375 26.025,36.375 26.027,36.373 27.402,36.373 28.887,34.888 28.887,34.363 JP1.2@30.75,32.5